# KiCad board LI_ION_charger_5Vout.kicad_pcb (continued)
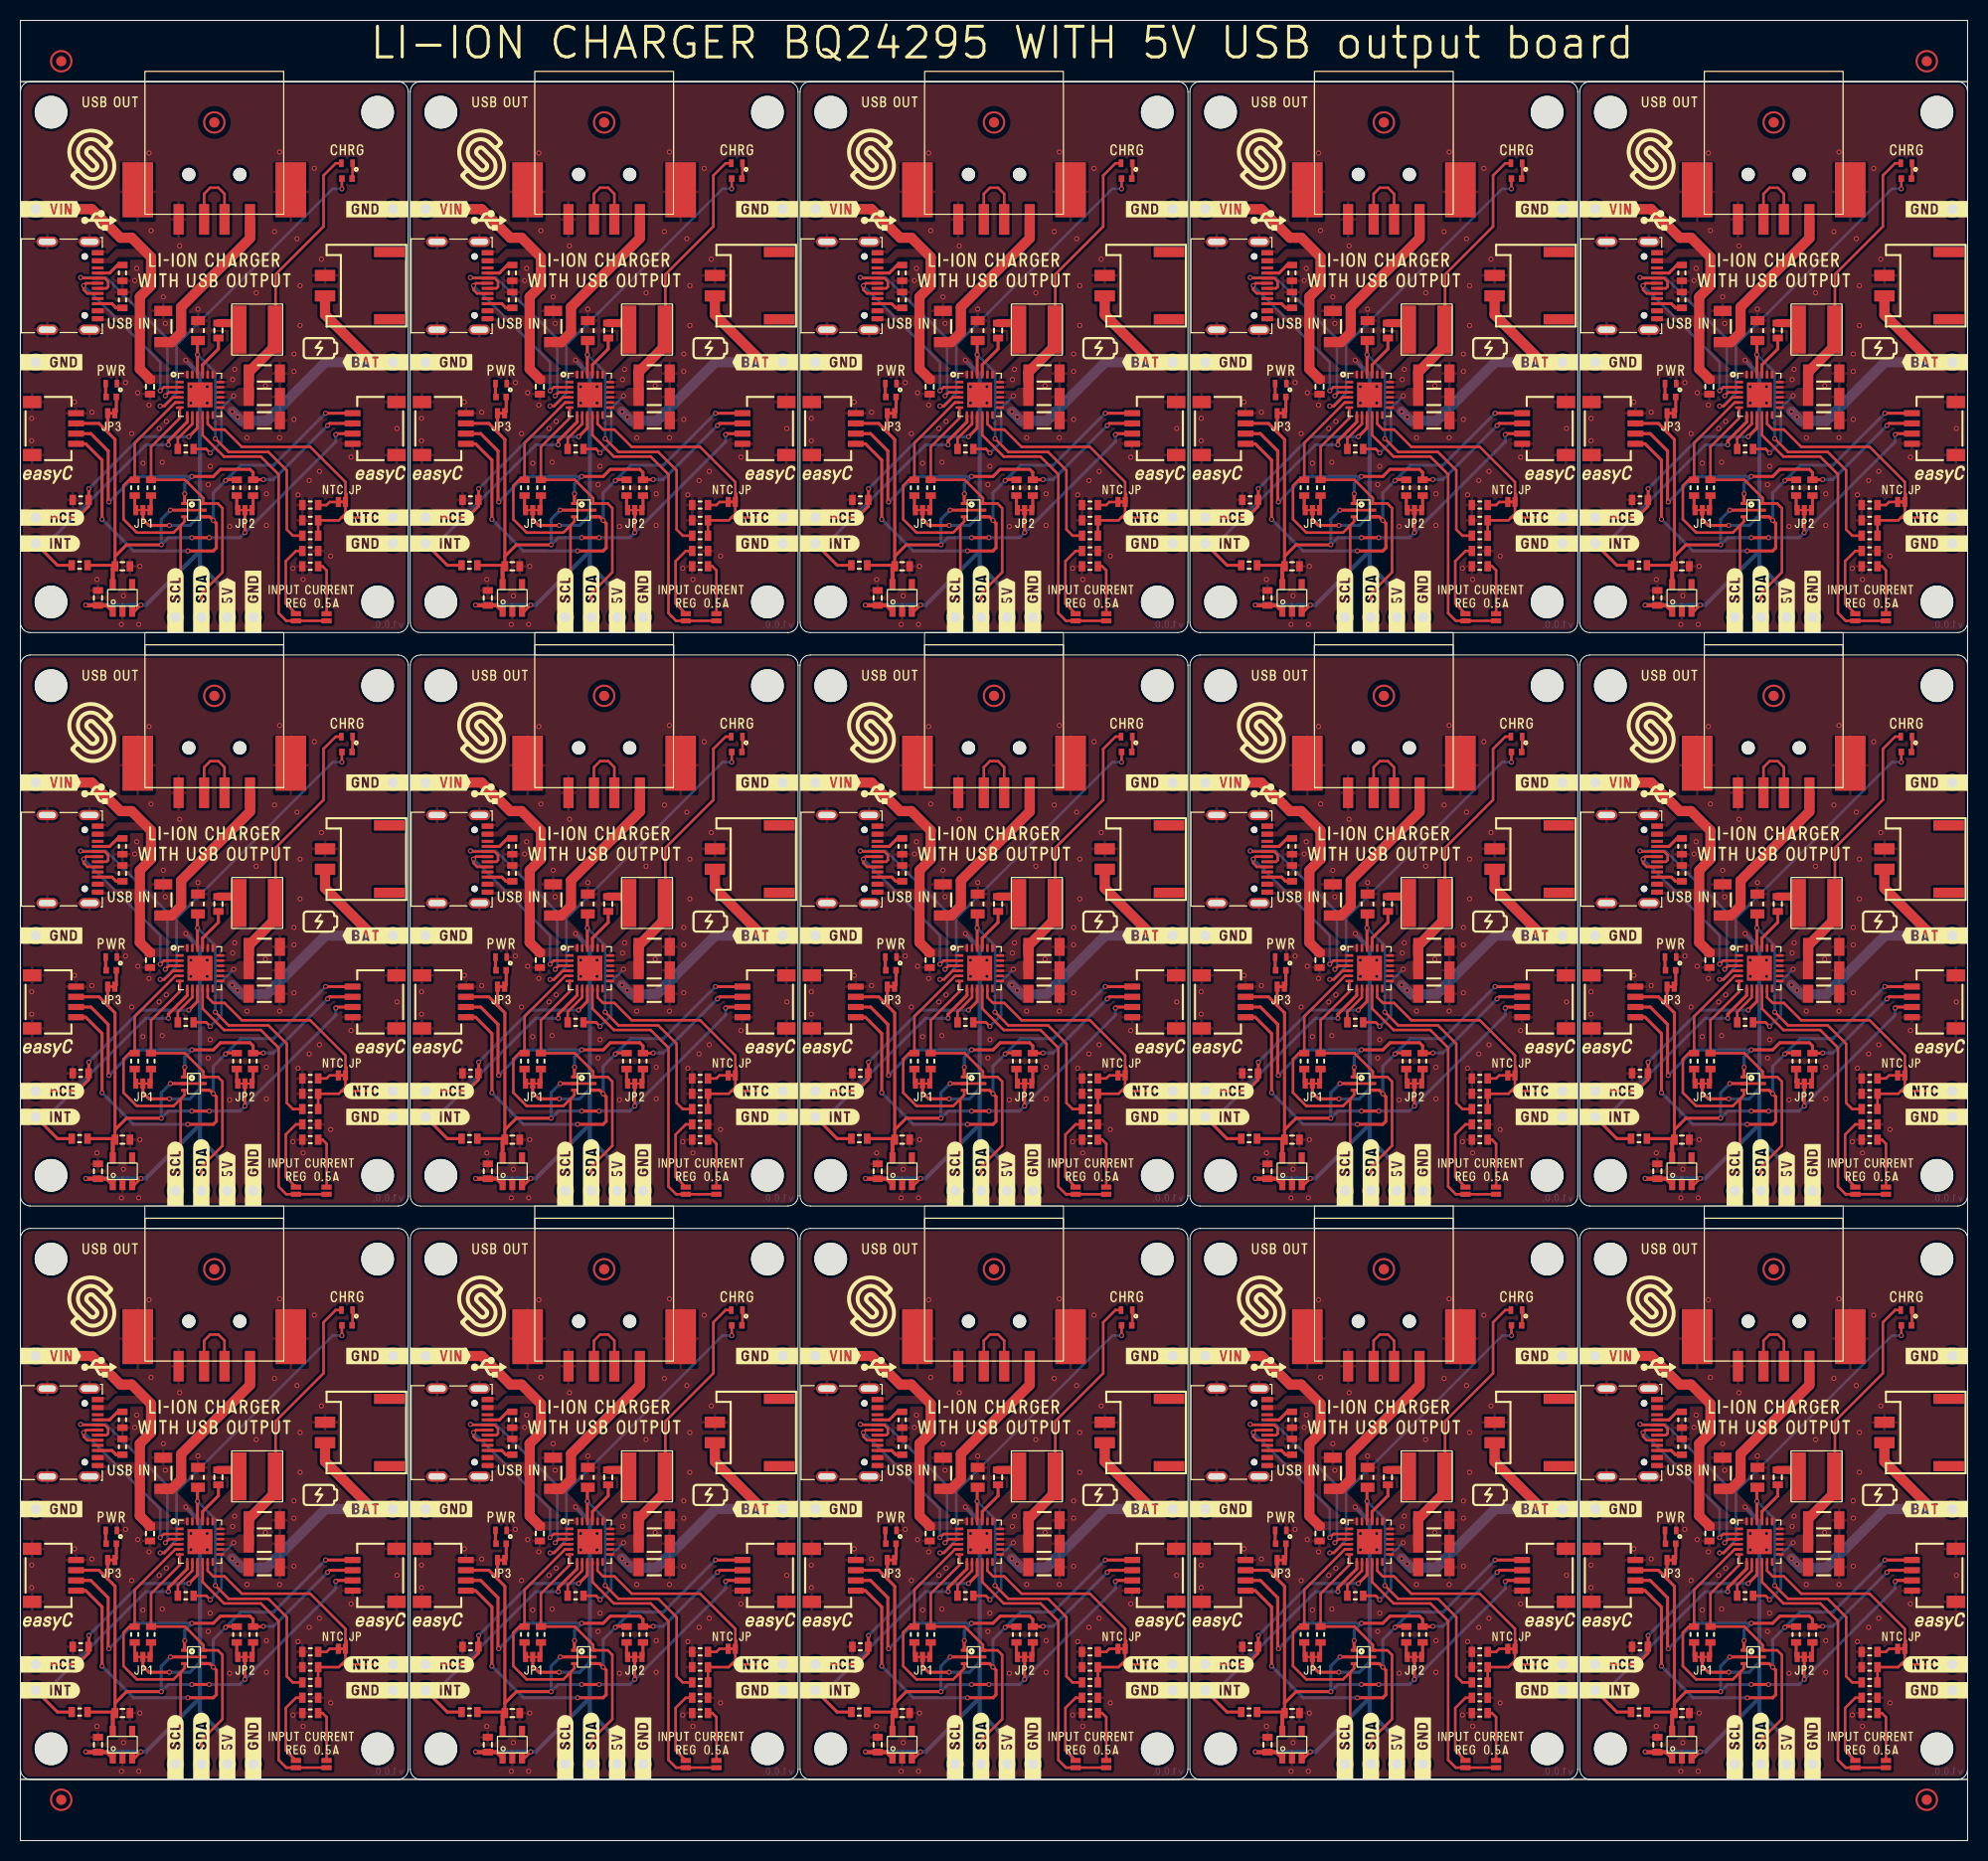
[diagram p0: board, top side]
## Nets (continued)
PMID: C2.2 C2#2.2 C2#3.2 C2#4.2 C2#5.2 C2#6.2 C2#7.2 C2#8.2 C2#9.2 C2#10.2 C2#11.2 C2#12.2 C2#13.2 C2#14.2 C2#15.2 C8.2 C8#2.2 C8#3.2 C8#4.2 C8#5.2 C8#6.2 C8#7.2 C8#8.2 C8#9.2 C8#10.2 C8#11.2 C8#12.2 C8#13.2 C8#14.2 C8#15.2 JP1.2 JP1#2.2 JP1#3.2 JP1#4.2 JP1#5.2 JP1#6.2 JP1#7.2 JP1#8.2 JP1#9.2 JP1#10.2 JP1#11.2 JP1#12.2 JP1#13.2 JP1#14.2 JP1#15.2 K6.2 K6#2.2 K6#3.2 K6#4.2 K6#5.2 K6#6.2 K6#7.2 K6#8.2 K6#9.2 K6#10.2 K6#11.2 K6#12.2 K6#13.2 K6#14.2 K6#15.2 K12.1 K12#2.1 K12#3.1 K12#4.1 K12#5.1 K12#6.1 K12#7.1 K12#8.1 K12#9.1 K12#10.1 K12#11.1 K12#12.1 K12#13.1 K12#14.1 K12#15.1 U2.23 U2#2.23 U2#3.23 U2#4.23 U2#5.23 U2#6.23 U2#7.23 U2#8.23 U2#9.23 U2#10.23 U2#11.23 U2#12.23 U2#13.23 U2#14.23 U2#15.23 U3.1 U3.3 U3#2.1 U3#2.3 U3#3.1 U3#3.3 U3#4.1 U3#4.3 U3#5.1 U3#5.3 U3#6.1 U3#6.3 U3#7.1 U3#7.3 U3#8.1 U3#8.3 U3#9.1 U3#9.3 U3#10.1 U3#10.3 U3#11.1 U3#11.3 U3#12.1 U3#12.3 U3#13.1 U3#13.3 U3#14.1 U3#14.3 U3#15.1 U3#15.3
QON: U2.12 U2#2.12 U2#3.12 U2#4.12 U2#5.12 U2#6.12 U2#7.12 U2#8.12 U2#9.12 U2#10.12 U2#11.12 U2#12.12 U2#13.12 U2#14.12 U2#15.12
REGN: C3.2 C3#2.2 C3#3.2 C3#4.2 C3#5.2 C3#6.2 C3#7.2 C3#8.2 C3#9.2 C3#10.2 C3#11.2 C3#12.2 C3#13.2 C3#14.2 C3#15.2 R1.1 R1#2.1 R1#3.1 R1#4.1 R1#5.1 R1#6.1 R1#7.1 R1#8.1 R1#9.1 R1#10.1 R1#11.1 R1#12.1 R1#13.1 R1#14.1 R1#15.1 U2.22 U2#2.22 U2#3.22 U2#4.22 U2#5.22 U2#6.22 U2#7.22 U2#8.22 U2#9.22 U2#10.22 U2#11.22 U2#12.22 U2#13.22 U2#14.22 U2#15.22
SCL3,3: K5.1 K5#2.1 K5#3.1 K5#4.1 K5#5.1 K5#6.1 K5#7.1 K5#8.1 K5#9.1 K5#10.1 K5#11.1 K5#12.1 K5#13.1 K5#14.1 K5#15.1 K11.1 K11#2.1 K11#3.1 K11#4.1 K11#5.1 K11#6.1 K11#7.1 K11#8.1 K11#9.1 K11#10.1 K11#11.1 K11#12.1 K11#13.1 K11#14.1 K11#15.1 R7.1 R7#2.1 R7#3.1 R7#4.1 R7#5.1 R7#6.1 R7#7.1 R7#8.1 R7#9.1 R7#10.1 R7#11.1 R7#12.1 R7#13.1 R7#14.1 R7#15.1 U1.4 U1#2.4 U1#3.4 U1#4.4 U1#5.4 U1#6.4 U1#7.4 U1#8.4 U1#9.4 U1#10.4 U1#11.4 U1#12.4 U1#13.4 U1#14.4 U1#15.4
SCL5: K6.4 K6#2.4 K6#3.4 K6#4.4 K6#5.4 K6#6.4 K6#7.4 K6#8.4 K6#9.4 K6#10.4 K6#11.4 K6#12.4 K6#13.4 K6#14.4 K6#15.4 R3.2 R3#2.2 R3#3.2 R3#4.2 R3#5.2 R3#6.2 R3#7.2 R3#8.2 R3#9.2 R3#10.2 R3#11.2 R3#12.2 R3#13.2 R3#14.2 R3#15.2 U1.3 U1#2.3 U1#3.3 U1#4.3 U1#5.3 U1#6.3 U1#7.3 U1#8.3 U1#9.3 U1#10.3 U1#11.3 U1#12.3 U1#13.3 U1#14.3 U1#15.3 U2.5 U2#2.5 U2#3.5 U2#4.5 U2#5.5 U2#6.5 U2#7.5 U2#8.5 U2#9.5 U2#10.5 U2#11.5 U2#12.5 U2#13.5 U2#14.5 U2#15.5
SCL_PULL3,3: JP3.1 JP3#2.1 JP3#3.1 JP3#4.1 JP3#5.1 JP3#6.1 JP3#7.1 JP3#8.1 JP3#9.1 JP3#10.1 JP3#11.1 JP3#12.1 JP3#13.1 JP3#14.1 JP3#15.1 R7.2 R7#2.2 R7#3.2 R7#4.2 R7#5.2 R7#6.2 R7#7.2 R7#8.2 R7#9.2 R7#10.2 R7#11.2 R7#12.2 R7#13.2 R7#14.2 R7#15.2
SCL_PULL5: JP1.1 JP1#2.1 JP1#3.1 JP1#4.1 JP1#5.1 JP1#6.1 JP1#7.1 JP1#8.1 JP1#9.1 JP1#10.1 JP1#11.1 JP1#12.1 JP1#13.1 JP1#14.1 JP1#15.1 R3.1 R3#2.1 R3#3.1 R3#4.1 R3#5.1 R3#6.1 R3#7.1 R3#8.1 R3#9.1 R3#10.1 R3#11.1 R3#12.1 R3#13.1 R3#14.1 R3#15.1
SDA3,3: K5.2 K5#2.2 K5#3.2 K5#4.2 K5#5.2 K5#6.2 K5#7.2 K5#8.2 K5#9.2 K5#10.2 K5#11.2 K5#12.2 K5#13.2 K5#14.2 K5#15.2 K11.2 K11#2.2 K11#3.2 K11#4.2 K11#5.2 K11#6.2 K11#7.2 K11#8.2 K11#9.2 K11#10.2 K11#11.2 K11#12.2 K11#13.2 K11#14.2 K11#15.2 R2.2 R2#2.2 R2#3.2 R2#4.2 R2#5.2 R2#6.2 R2#7.2 R2#8.2 R2#9.2 R2#10.2 R2#11.2 R2#12.2 R2#13.2 R2#14.2 R2#15.2 U1.1 U1#2.1 U1#3.1 U1#4.1 U1#5.1 U1#6.1 U1#7.1 U1#8.1 U1#9.1 U1#10.1 U1#11.1 U1#12.1 U1#13.1 U1#14.1 U1#15.1
SDA5: K6.3 K6#2.3 K6#3.3 K6#4.3 K6#5.3 K6#6.3 K6#7.3 K6#8.3 K6#9.3 K6#10.3 K6#11.3 K6#12.3 K6#13.3 K6#14.3 K6#15.3 R6.1 R6#2.1 R6#3.1 R6#4.1 R6#5.1 R6#6.1 R6#7.1 R6#8.1 R6#9.1 R6#10.1 R6#11.1 R6#12.1 R6#13.1 R6#14.1 R6#15.1 U1.6 U1#2.6 U1#3.6 U1#4.6 U1#5.6 U1#6.6 U1#7.6 U1#8.6 U1#9.6 U1#10.6 U1#11.6 U1#12.6 U1#13.6 U1#14.6 U1#15.6 U2.6 U2#2.6 U2#3.6 U2#4.6 U2#5.6 U2#6.6 U2#7.6 U2#8.6 U2#9.6 U2#10.6 U2#11.6 U2#12.6 U2#13.6 U2#14.6 U2#15.6
SDA_PULL3,3: JP3.3 JP3#2.3 JP3#3.3 JP3#4.3 JP3#5.3 JP3#6.3 JP3#7.3 JP3#8.3 JP3#9.3 JP3#10.3 JP3#11.3 JP3#12.3 JP3#13.3 JP3#14.3 JP3#15.3 R2.1 R2#2.1 R2#3.1 R2#4.1 R2#5.1 R2#6.1 R2#7.1 R2#8.1 R2#9.1 R2#10.1 R2#11.1 R2#12.1 R2#13.1 R2#14.1 R2#15.1
SDA_PULL5: JP1.3 JP1#2.3 JP1#3.3 JP1#4.3 JP1#5.3 JP1#6.3 JP1#7.3 JP1#8.3 JP1#9.3 JP1#10.3 JP1#11.3 JP1#12.3 JP1#13.3 JP1#14.3 JP1#15.3 R6.2 R6#2.2 R6#3.2 R6#4.2 R6#5.2 R6#6.2 R6#7.2 R6#8.2 R6#9.2 R6#10.2 R6#11.2 R6#12.2 R6#13.2 R6#14.2 R6#15.2
STAT: R11.2 R11#2.2 R11#3.2 R11#4.2 R11#5.2 R11#6.2 R11#7.2 R11#8.2 R11#9.2 R11#10.2 R11#11.2 R11#12.2 R11#13.2 R11#14.2 R11#15.2 U2.4 U2#2.4 U2#3.4 U2#4.4 U2#5.4 U2#6.4 U2#7.4 U2#8.4 U2#9.4 U2#10.4 U2#11.4 U2#12.4 U2#13.4 U2#14.4 U2#15.4
SYS: C6.2 C6#2.2 C6#3.2 C6#4.2 C6#5.2 C6#6.2 C6#7.2 C6#8.2 C6#9.2 C6#10.2 C6#11.2 C6#12.2 C6#13.2 C6#14.2 C6#15.2 C7.2 C7#2.2 C7#3.2 C7#4.2 C7#5.2 C7#6.2 C7#7.2 C7#8.2 C7#9.2 C7#10.2 C7#11.2 C7#12.2 C7#13.2 C7#14.2 C7#15.2 D1.1 D1#2.1 D1#3.1 D1#4.1 D1#5.1 D1#6.1 D1#7.1 D1#8.1 D1#9.1 D1#10.1 D1#11.1 D1#12.1 D1#13.1 D1#14.1 D1#15.1 L1.2 L1#2.2 L1#3.2 L1#4.2 L1#5.2 L1#6.2 L1#7.2 L1#8.2 L1#9.2 L1#10.2 L1#11.2 L1#12.2 L1#13.2 L1#14.2 L1#15.2 R10.1 R10#2.1 R10#3.1 R10#4.1 R10#5.1 R10#6.1 R10#7.1 R10#8.1 R10#9.1 R10#10.1 R10#11.1 R10#12.1 R10#13.1 R10#14.1 R10#15.1 U2.15 U2.16 U2#2.15 U2#2.16 U2#3.15 U2#3.16 U2#4.15 U2#4.16 U2#5.15 U2#5.16 U2#6.15 U2#6.16 U2#7.15 U2#7.16 U2#8.15 U2#8.16 U2#9.15 U2#9.16 U2#10.15 U2#10.16 U2#11.15 U2#11.16 U2#12.15 U2#12.16 U2#13.15 U2#13.16 U2#14.15 U2#14.16 U2#15.15 U2#15.16
TS: JP2.1 JP2#2.1 JP2#3.1 JP2#4.1 JP2#5.1 JP2#6.1 JP2#7.1 JP2#8.1 JP2#9.1 JP2#10.1 JP2#11.1 JP2#12.1 JP2#13.1 JP2#14.1 JP2#15.1 K1.1 K1#2.1 K1#3.1 K1#4.1 K1#5.1 K1#6.1 K1#7.1 K1#8.1 K1#9.1 K1#10.1 K1#11.1 K1#12.1 K1#13.1 K1#14.1 K1#15.1 R1.2 R1#2.2 R1#3.2 R1#4.2 R1#5.2 R1#6.2 R1#7.2 R1#8.2 R1#9.2 R1#10.2 R1#11.2 R1#12.2 R1#13.2 R1#14.2 R1#15.2 R4.1 R4#2.1 R4#3.1 R4#4.1 R4#5.1 R4#6.1 R4#7.1 R4#8.1 R4#9.1 R4#10.1 R4#11.1 R4#12.1 R4#13.1 R4#14.1 R4#15.1 U2.11 U2#2.11 U2#3.11 U2#4.11 U2#5.11 U2#6.11 U2#7.11 U2#8.11 U2#9.11 U2#10.11 U2#11.11 U2#12.11 U2#13.11 U2#14.11 U2#15.11
Net-(C4-Pad2): C4.2 C4#2.2 C4#3.2 C4#4.2 C4#5.2 C4#6.2 C4#7.2 C4#8.2 C4#9.2 C4#10.2 C4#11.2 C4#12.2 C4#13.2 C4#14.2 C4#15.2 L1.1 L1#2.1 L1#3.1 L1#4.1 L1#5.1 L1#6.1 L1#7.1 L1#8.1 L1#9.1 L1#10.1 L1#11.1 L1#12.1 L1#13.1 L1#14.1 L1#15.1 U2.19 U2.20 U2#2.19 U2#2.20 U2#3.19 U2#3.20 U2#4.19 U2#4.20 U2#5.19 U2#5.20 U2#6.19 U2#6.20 U2#7.19 U2#7.20 U2#8.19 U2#8.20 U2#9.19 U2#9.20 U2#10.19 U2#10.20 U2#11.19 U2#11.20 U2#12.19 U2#12.20 U2#13.19 U2#13.20 U2#14.19 U2#14.20 U2#15.19 U2#15.20
Net-(D1-Pad2): D1.2 D1#2.2 D1#3.2 D1#4.2 D1#5.2 D1#6.2 D1#7.2 D1#8.2 D1#9.2 D1#10.2 D1#11.2 D1#12.2 D1#13.2 D1#14.2 D1#15.2 R11.1 R11#2.1 R11#3.1 R11#4.1 R11#5.1 R11#6.1 R11#7.1 R11#8.1 R11#9.1 R11#10.1 R11#11.1 R11#12.1 R11#13.1 R11#14.1 R11#15.1
Net-(D2-Pad1): D2.1 D2#2.1 D2#3.1 D2#4.1 D2#5.1 D2#6.1 D2#7.1 D2#8.1 D2#9.1 D2#10.1 D2#11.1 D2#12.1 D2#13.1 D2#14.1 D2#15.1 R16.2 R16#2.2 R16#3.2 R16#4.2 R16#5.2 R16#6.2 R16#7.2 R16#8.2 R16#9.2 R16#10.2 R16#11.2 R16#12.2 R16#13.2 R16#14.2 R16#15.2
Net-(JP2-Pad2): JP2.2 JP2#2.2 JP2#3.2 JP2#4.2 JP2#5.2 JP2#6.2 JP2#7.2 JP2#8.2 JP2#9.2 JP2#10.2 JP2#11.2 JP2#12.2 JP2#13.2 JP2#14.2 JP2#15.2 R5.1 R5#2.1 R5#3.1 R5#4.1 R5#5.1 R5#6.1 R5#7.1 R5#8.1 R5#9.1 R5#10.1 R5#11.1 R5#12.1 R5#13.1 R5#14.1 R5#15.1
Net-(JP4-Pad1): JP4.1 JP4#2.1 JP4#3.1 JP4#4.1 JP4#5.1 JP4#6.1 JP4#7.1 JP4#8.1 JP4#9.1 JP4#10.1 JP4#11.1 JP4#12.1 JP4#13.1 JP4#14.1 JP4#15.1 R13.1 R13#2.1 R13#3.1 R13#4.1 R13#5.1 R13#6.1 R13#7.1 R13#8.1 R13#9.1 R13#10.1 R13#11.1 R13#12.1 R13#13.1 R13#14.1 R13#15.1
Net-(JP5-Pad1): JP5.1 JP5#2.1 JP5#3.1 JP5#4.1 JP5#5.1 JP5#6.1 JP5#7.1 JP5#8.1 JP5#9.1 JP5#10.1 JP5#11.1 JP5#12.1 JP5#13.1 JP5#14.1 JP5#15.1 R15.1 R15#2.1 R15#3.1 R15#4.1 R15#5.1 R15#6.1 R15#7.1 R15#8.1 R15#9.1 R15#10.1 R15#11.1 R15#12.1 R15#13.1 R15#14.1 R15#15.1
Net-(JP6-Pad2): JP6.2 JP6#2.2 JP6#3.2 JP6#4.2 JP6#5.2 JP6#6.2 JP6#7.2 JP6#8.2 JP6#9.2 JP6#10.2 JP6#11.2 JP6#12.2 JP6#13.2 JP6#14.2 JP6#15.2 R16.1 R16#2.1 R16#3.1 R16#4.1 R16#5.1 R16#6.1 R16#7.1 R16#8.1 R16#9.1 R16#10.1 R16#11.1 R16#12.1 R16#13.1 R16#14.1 R16#15.1
Net-(K4-PadA5): K4.A5 K4#2.A5 K4#3.A5 K4#4.A5 K4#5.A5 K4#6.A5 K4#7.A5 K4#8.A5 K4#9.A5 K4#10.A5 K4#11.A5 K4#12.A5 K4#13.A5 K4#14.A5 K4#15.A5 R14.1 R14#2.1 R14#3.1 R14#4.1 R14#5.1 R14#6.1 R14#7.1 R14#8.1 R14#9.1 R14#10.1 R14#11.1 R14#12.1 R14#13.1 R14#14.1 R14#15.1
Net-(K4-PadB5): K4.B5 K4#2.B5 K4#3.B5 K4#4.B5 K4#5.B5 K4#6.B5 K4#7.B5 K4#8.B5 K4#9.B5 K4#10.B5 K4#11.B5 K4#12.B5 K4#13.B5 K4#14.B5 K4#15.B5 R12.1 R12#2.1 R12#3.1 R12#4.1 R12#5.1 R12#6.1 R12#7.1 R12#8.1 R12#9.1 R12#10.1 R12#11.1 R12#12.1 R12#13.1 R12#14.1 R12#15.1
Net-(K12-Pad2): K12.2 K12.3 K12#2.2 K12#2.3 K12#3.2 K12#3.3 K12#4.2 K12#4.3 K12#5.2 K12#5.3 K12#6.2 K12#6.3 K12#7.2 K12#7.3 K12#8.2 K12#8.3 K12#9.2 K12#9.3 K12#10.2 K12#10.3 K12#11.2 K12#11.3 K12#12.2 K12#12.3 K12#13.2 K12#13.3 K12#14.2 K12#14.3 K12#15.2 K12#15.3

Pads without a net: FD1 1; FD1#2 1; FD1#3 1; FD1#4 1; FD1#5 1; FD1#6 1; FD1#7 1; FD1#8 1; FD1#9 1; FD1#10 1; FD1#11 1; FD1#12 1; FD1#13 1; FD1#14 1; FD1#15 1; FD1#16 1; FD1#17 1; FD1#18 1; FD1#19 1; K4 A8 B8; K4#2 A8 B8; K4#3 A8 B8; K4#4 A8 B8; K4#5 A8 B8; K4#6 A8 B8; K4#7 A8 B8; K4#8 A8 B8; K4#9 A8 B8; K4#10 A8 B8; K4#11 A8 B8; K4#12 A8 B8; K4#13 A8 B8; K4#14 A8 B8; K4#15 A8 B8; U3 4; U3#2 4; U3#3 4; U3#4 4; U3#5 4; U3#6 4; U3#7 4; U3#8 4; U3#9 4; U3#10 4; U3#11 4; U3#12 4; U3#13 4; U3#14 4; U3#15 4

## Via types
v1: diameter 0.5, hole 0.3, Top to Bottom, 1395 vias

## Routing (per net, layer and track width the routed paths; a pad name or vN(x,y) marks a point on that pad's centre or on a via; arc(x,y) is an arc through that point)
3V3: length 923.2
  Top w0.254: U1#2.5 U1#2.2 ; U1#8.5 U1#8.2 ; U1#14.5 U1#14.2 ; U1#6.5 U1#6.2 ; U1#9.5 U1#9.2 ; U1#13.5 U1#13.2 ; U1#5.5 U1#5.2 ; U1#11.5 U1#11.2 ; U1#15.5 U1#15.2 ; U1#10.5 U1#10.2 ; U1.5 U1.2 ; U1#12.5 U1#12.2 ; U1#7.5 U1#7.2 ; U1#4.5 U1#4.2 ; U1#3.5 U1#3.2
  Top w0.3: v1(183.7,137.8) 183.8,137.9 185.65,137.9 ; v1(166.6,14.6) 163.2,14.6 162.07,13.47 ; v1(145.5,25.4) 145.6,25.5 147.45,25.5 ; 85.67,125.87 85.67,137.33 84.95,138.05 ; 85.67,125.87 C9#6.2 85.57,125 R9#6.1 ; 85.67,125.87 86.8,127 v1(90.2,127) ; 9.27,69.67 10.4,70.8 v1(13.8,70.8) ; 9.27,69.67 C9#5.2 9.17,68.8 R9#3.1 ; 9.27,69.67 9.27,81.13 8.55,81.85 ; 85.67,13.47 86.8,14.6 v1(90.2,14.6) ; 85.67,13.47 85.67,24.93 84.95,25.65 ; 85.67,13.47 C9#9.2 85.57,12.6 R9#14.1 ; v1(94.9,127.7) v1(93.2,127.7) ; 47.47,13.47 C9#10.2 47.37,12.6 R9#10.1 ; 47.47,13.47 47.47,24.93 46.75,25.65 ; 47.47,13.47 48.6,14.6 v1(52,14.6) ; v1(22,72) JP3#14.2 ; v1(174.8,128.2) JP3#3.2 ; 46.75,81.85 45.9,82.7 K11.3 ; 46.75,81.85 JP6#9.1 ; 46.75,81.85 47.47,81.13 47.47,69.67 ; v1(145.5,81.6) 145.6,81.7 147.45,81.7 ; v1(30.9,25.4) 31,25.5 32.85,25.5 ; 161.35,138.05 160.5,138.9 K11#15.3 ; 161.35,138.05 JP6#5.1 ; 161.35,138.05 162.07,137.33 162.07,125.87 ; 123.15,138.05 123.87,137.33 123.87,125.87 ; 123.15,138.05 JP6#7.1 ; 123.15,138.05 122.3,138.9 K11#2.3 ; 161.35,25.65 160.5,26.5 K11#13.3 ; 161.35,25.65 JP6#13.1 ; 161.35,25.65 162.07,24.93 162.07,13.47 ; v1(52.9,130.4) U1#10.2 ; v1(98.4,128.2) JP3#5.2 ; 185.65,81.7 183.8,81.7 v1(183.7,81.6) ; v1(174.8,15.8) JP3#13.2 ; R9#7.1 9.17,12.6 C9#14.2 9.27,13.47 ; v1(129.3,130.4) U1#5.2 ; v1(129.3,74.2) U1#11.2 ; 109.25,25.5 107.4,25.5 v1(107.3,25.4) ; K11#14.3 122.3,26.5 123.15,25.65 ; v1(133.1,127.7) v1(131.4,127.7) ; 9.27,13.47 9.27,24.93 8.55,25.65 ; 9.27,13.47 10.4,14.6 v1(13.8,14.6) ; 84.95,25.65 JP6.1 ; 84.95,25.65 84.1,26.5 K11#3.3 ; 47.47,125.87 47.47,137.33 46.75,138.05 ; 47.47,125.87 48.6,127 v1(52,127) ; 47.47,125.87 C9.2 47.37,125 R9#11.1 ; R9#12.1 123.77,125 C9#4.2 123.87,125.87 ; 9.27,125.87 9.27,137.33 8.55,138.05 ; 9.27,125.87 C9#15.2 9.17,125 R9#13.1 ; 9.27,125.87 10.4,127 v1(13.8,127) ; 84.95,81.85 JP6#6.1 ; 84.95,81.85 84.1,82.7 K11#4.3 ; 84.95,81.85 85.67,81.13 85.67,69.67 ; K11#5.3 7.7,138.9 8.55,138.05 ; 123.15,81.85 122.3,82.7 K11#9.3 ; 123.15,81.85 123.87,81.13 123.87,69.67 ; 123.15,81.85 JP6#15.1 ; 8.55,138.05 JP6#2.1 ; R9.1 85.57,68.8 C9#2.2 85.67,69.67 ; v1(94.9,71.5) v1(93.2,71.5) ; v1(174.8,72) JP3#7.2 ; v1(94.9,15.3) v1(93.2,15.3) ; 71.05,137.9 69.2,137.9 v1(69.1,137.8) ; v1(60.2,128.2) JP3#12.2 ; v1(167.5,18) U1#13.2 ; v1(30.9,81.6) 31,81.7 32.85,81.7 ; v1(167.5,130.4) U1#9.2 ; 8.55,25.65 7.7,26.5 K11#6.3 ; 8.55,25.65 JP6#3.1 ; v1(166.6,70.8) 163.2,70.8 162.07,69.67 ; 162.07,69.67 162.07,81.13 161.35,81.85 ; 162.07,69.67 C9#13.2 161.97,68.8 R9#5.1 ; v1(14.7,130.4) U1#8.2 ; v1(167.5,74.2) U1#3.2 ; v1(183.7,25.4) 183.8,25.5 185.65,25.5 ; 8.55,81.85 JP6#10.1 ; 8.55,81.85 7.7,82.7 K11#7.3 ; v1(136.6,128.2) JP3#9.2 ; v1(107.3,81.6) 107.4,81.7 109.25,81.7 ; 123.87,125.87 125,127 v1(128.4,127) ; 47.47,69.67 48.6,70.8 v1(52,70.8) ; 47.47,69.67 C9#7.2 47.37,68.8 R9#4.1 ; 123.87,69.67 125,70.8 v1(128.4,70.8) ; 123.87,69.67 C9#12.2 123.77,68.8 R9#9.1 ; 32.85,137.9 31,137.9 v1(30.9,137.8) ; v1(166.6,127) 163.2,127 162.07,125.87 ; v1(56.7,127.7) v1(55,127.7) ; v1(98.4,72) JP3.2 ; v1(133.1,71.5) v1(131.4,71.5) ; K11#8.3 160.5,82.7 161.35,81.85 ; 162.07,13.47 C9#11.2 161.97,12.6 R9#15.1 ; v1(129.3,18) U1#4.2 ; v1(14.7,18) U1#2.2 ; v1(56.7,15.3) v1(55,15.3) ; v1(56.7,71.5) v1(55,71.5) ; 46.75,138.05 45.9,138.9 K11#11.3 ; 46.75,138.05 JP6#12.1 ; 161.35,81.85 JP6#14.1 ; v1(98.4,15.8) JP3#10.2 ; v1(60.2,72) JP3#6.2 ; v1(91.1,130.4) U1#6.2 ; v1(22,15.8) JP3#4.2 ; 109.25,137.9 107.4,137.9 v1(107.3,137.8) ; 85.67,69.67 86.8,70.8 v1(90.2,70.8) ; v1(18.5,15.3) v1(16.8,15.3) ; v1(171.3,127.7) v1(169.6,127.7) ; v1(69.1,25.4) 69.2,25.5 71.05,25.5 ; 123.15,25.65 JP6#4.1 ; 123.15,25.65 123.87,24.93 123.87,13.47 ; v1(171.3,15.3) v1(169.6,15.3) ; 123.87,13.47 125,14.6 v1(128.4,14.6) ; 123.87,13.47 C9#3.2 123.77,12.6 R9#2.1 ; 162.07,125.87 C9#8.2 161.97,125 R9#8.1 ; v1(91.1,74.2) U1.2 ; K11#12.3 45.9,26.5 46.75,25.65 ; 46.75,25.65 JP6#8.1 ; v1(133.1,15.3) v1(131.4,15.3) ; v1(52.9,18) U1#15.2 ; v1(145.5,137.8) 145.6,137.9 147.45,137.9 ; v1(60.2,15.8) JP3#8.2 ; v1(52.9,74.2) U1#12.2 ; v1(136.6,72) JP3#11.2 ; v1(14.7,74.2) U1#7.2 ; 84.95,138.05 84.1,138.9 K11#10.3 ; 84.95,138.05 JP6#11.1 ; v1(171.3,71.5) v1(169.6,71.5) ; v1(18.5,127.7) v1(16.8,127.7) ; v1(69.1,81.6) 69.2,81.7 71.05,81.7 ; v1(18.5,71.5) v1(16.8,71.5) ; v1(91.1,18) U1#14.2 ; v1(22,128.2) JP3#2.2 ; v1(136.6,15.8) JP3#15.2
  Top w0.4: C9#2.2 85.45,68.48 U3#13.5 ; C9#11.2 161.85,12.28 U3#5.5 ; U3#3.5 123.65,68.48 C9#12.2 ; U3#6.5 161.85,68.48 C9#13.2 ; C9#9.2 85.45,12.28 U3#9.5 ; U3#2.5 47.25,124.68 C9.2 ; U3#8.5 85.45,124.68 C9#6.2 ; C9#5.2 9.05,68.48 U3#14.5 ; C9#3.2 123.65,12.28 U3#12.5 ; U3#4.5 123.65,124.68 C9#4.2 ; C9#7.2 47.25,68.48 U3#10.5 ; U3#11.5 161.85,124.68 C9#8.2 ; U3#7.5 9.05,12.28 C9#14.2 ; U3.5 9.05,124.68 C9#15.2 ; C9#10.2 47.25,12.28 U3#15.5
  Bottom w0.3: v1(69.1,81.6) 69.1,80.9 v1(60.2,72) 59.7,71.5 v1(56.7,71.5) ; v1(91.1,130.4) 90.2,129.5 v1(90.2,127) 90.9,127.7 v1(93.2,127.7) ; v1(94.9,71.5) 97.9,71.5 v1(98.4,72) 107.3,80.9 v1(107.3,81.6) ; v1(107.3,25.4) 107.3,24.7 v1(98.4,15.8) 97.9,15.3 v1(94.9,15.3) ; v1(30.9,81.6) 30.9,80.9 v1(22,72) 21.5,71.5 v1(18.5,71.5) ; v1(52.9,130.4) 52,129.5 v1(52,127) 52.7,127.7 v1(55,127.7) ; v1(16.8,71.5) 14.5,71.5 v1(13.8,70.8) 13.8,73.3 v1(14.7,74.2) ; v1(16.8,15.3) 14.5,15.3 v1(13.8,14.6) 13.8,17.1 v1(14.7,18) ; v1(171.3,15.3) 174.3,15.3 v1(174.8,15.8) 183.7,24.7 v1(183.7,25.4) ; v1(171.3,127.7) 174.3,127.7 v1(174.8,128.2) 183.7,137.1 v1(183.7,137.8) ; v1(167.5,74.2) 166.6,73.3 v1(166.6,70.8) 167.3,71.5 v1(169.6,71.5) ; v1(93.2,15.3) 90.9,15.3 v1(90.2,14.6) 90.2,17.1 v1(91.1,18) ; v1(133.1,71.5) 136.1,71.5 v1(136.6,72) 145.5,80.9 v1(145.5,81.6) ; v1(133.1,127.7) 136.1,127.7 v1(136.6,128.2) 145.5,137.1 v1(145.5,137.8) ; v1(183.7,81.6) 183.7,80.9 v1(174.8,72) 174.3,71.5 v1(171.3,71.5) ; v1(55,15.3) 52.7,15.3 v1(52,14.6) 52,17.1 v1(52.9,18) ; v1(30.9,25.4) 30.9,24.7 v1(22,15.8) 21.5,15.3 v1(18.5,15.3) ; v1(30.9,137.8) 30.9,137.1 v1(22,128.2) 21.5,127.7 v1(18.5,127.7) ; v1(129.3,130.4) 128.4,129.5 v1(128.4,127) 129.1,127.7 v1(131.4,127.7) ; v1(91.1,74.2) 90.2,73.3 v1(90.2,70.8) 90.9,71.5 v1(93.2,71.5) ; v1(133.1,15.3) 136.1,15.3 v1(136.6,15.8) 145.5,24.7 v1(145.5,25.4) ; v1(14.7,130.4) 13.8,129.5 v1(13.8,127) 14.5,127.7 v1(16.8,127.7) ; v1(131.4,15.3) 129.1,15.3 v1(128.4,14.6) 128.4,17.1 v1(129.3,18) ; v1(69.1,137.8) 69.1,137.1 v1(60.2,128.2) 59.7,127.7 v1(56.7,127.7) ; v1(167.5,18) 166.6,17.1 v1(166.6,14.6) 167.3,15.3 v1(169.6,15.3) ; v1(69.1,25.4) 69.1,24.7 v1(60.2,15.8) 59.7,15.3 v1(56.7,15.3) ; v1(169.6,127.7) 167.3,127.7 v1(166.6,127) 166.6,129.5 v1(167.5,130.4) ; v1(94.9,127.7) 97.9,127.7 v1(98.4,128.2) 107.3,137.1 v1(107.3,137.8) ; v1(131.4,71.5) 129.1,71.5 v1(128.4,70.8) 128.4,73.3 v1(129.3,74.2) ; v1(55,71.5) 52.7,71.5 v1(52,70.8) 52,73.3 v1(52.9,74.2)
GND:
  vias: v1(1.1,139.4) v1(1.1,137.2) v1(1.1,83.2) v1(1.1,81) v1(1.1,27) v1(1.1,24.8) v1(5.3,141) v1(5.3,84.8) v1(5.3,28.6) v1(7,140) v1(7,83.8) v1(7,27.6) v1(7.5,123.6) v1(7.5,67.4) v1(7.5,11.2) v1(9.9,119.2) v1(9.9,63) v1(9.9,6.8) v1(10.1,122) v1(10.1,65.8) v1(10.1,9.6) v1(10.3,142.9) v1(10.3,86.7) v1(10.3,30.5) v1(10.9,137.9) v1(10.9,81.7) v1(10.9,25.5) v1(11.2,152.9) v1(11.2,96.7) v1(11.2,40.5) v1(11.4,154.1) v1(11.4,97.9) v1(11.4,41.7) v1(11.5,141.9) v1(11.5,85.7) v1(11.5,29.5) v1(11.6,119.2) v1(11.6,63) v1(11.6,6.8) v1(11.7,124.9) v1(11.7,68.7) v1(11.7,12.5) v1(12,135) v1(12,78.8) v1(12,22.6) v1(12.6,165.4) v1(12.6,140.7) v1(12.6,109.2) v1(12.6,84.5) v1(12.6,53) v1(12.6,28.3) v1(12.8,157.8) v1(12.8,101.6) v1(12.8,45.4) v1(13.6,138.4) v1(13.6,82.2) v1(13.6,26) v1(13.9,135.1) v1(13.9,78.9) v1(13.9,22.7) v1(14,151.3) v1(14,95.1) v1(14,38.9) v1(14.2,148.7) v1(14.2,92.5) v1(14.2,36.3) v1(14.3,139.1) v1(14.3,82.9) v1(14.3,26.7) v1(15.6,156.3) v1(15.6,100.1) v1(15.6,43.9) v1(16.7,142.5) v1(16.7,140.9) v1(16.7,86.3) v1(16.7,84.7) v1(16.7,30.1) v1(16.7,28.5) v1(17.4,150.1) v1(17.4,93.9) v1(17.4,37.7) v1(18.3,142.5) v1(18.3,140.9) v1(18.3,86.3) v1(18.3,84.7) v1(18.3,30.1) v1(18.3,28.5) v1(18.4,132.9) v1(18.4,76.7) v1(18.4,20.5) v1(18.6,134.7) v1(18.6,78.5) v1(18.6,22.3) v1(20.5,128.8) v1(20.5,72.6) v1(20.5,16.4) v1(20.8,143.2) v1(20.8,87) v1(20.8,30.8) v1(21,144.2) v1(21,88) v1(21,31.8) v1(22.2,137.5) v1(22.2,81.3) v1(22.2,25.1) v1(23.1,151.7) v1(23.1,95.5) v1(23.1,39.3) v1(24,142.6) v1(24,86.4) v1(24,30.2) v1(24.1,132) v1(24.1,128.9) v1(24.1,75.8) v1(24.1,72.7) v1(24.1,19.6) v1(24.1,16.5) v1(24.9,157.7) v1(24.9,101.5) v1(24.9,45.3) v1(25.4,165.5) v1(25.4,137.5) v1(25.4,109.3) v1(25.4,81.3) v1(25.4,53.1) v1(25.4,25.1) v1(26.7,124.7) v1(26.7,68.5) v1(26.7,12.3) v1(26.8,145.7) v1(26.8,144) v1(26.8,139.3) v1(26.8,89.5) v1(26.8,87.8) v1(26.8,83.1) v1(26.8,33.3) v1(26.8,31.6) v1(26.8,26.9) v1(27.1,157) v1(27.1,100.8) v1(27.1,44.6) v1(27.2,131.9) v1(27.2,75.7) v1(27.2,19.5) v1(27.4,152.4) v1(27.4,148.5) v1(27.4,96.2) v1(27.4,92.3) v1(27.4,40) v1(27.4,36.1) v1(27.7,123.6) v1(27.7,67.4) v1(27.7,11.2) v1(28.3,133.3) v1(28.3,77.1) v1(28.3,20.9) v1(28.8,163.9) v1(28.8,107.7) v1(28.8,51.5) v1(29.3,134.2) v1(29.3,78) v1(29.3,21.8) v1(29.5,155) v1(29.5,98.8) v1(29.5,42.6) v1(30.4,125.9) v1(30.4,69.7) v1(30.4,13.5) v1(32.4,135.6) v1(32.4,79.4) v1(32.4,23.2) v1(36.9,138.4) v1(36.9,82.2) v1(36.9,26) v1(39.3,139.4) v1(39.3,137.2) v1(39.3,83.2) v1(39.3,81) v1(39.3,27) v1(39.3,24.8) v1(43.5,141) v1(43.5,84.8) v1(43.5,28.6) v1(45.2,140) v1(45.2,83.8) v1(45.2,27.6) v1(45.7,123.6) v1(45.7,67.4) v1(45.7,11.2) v1(48.1,119.2) v1(48.1,63) v1(48.1,6.8) v1(48.3,122) v1(48.3,65.8) v1(48.3,9.6) v1(48.5,142.9) v1(48.5,86.7) v1(48.5,30.5) v1(49.1,137.9) v1(49.1,81.7) v1(49.1,25.5) v1(49.4,152.9) v1(49.4,96.7) v1(49.4,40.5) v1(49.6,154.1) v1(49.6,97.9) v1(49.6,41.7) v1(49.7,141.9) v1(49.7,85.7) v1(49.7,29.5) v1(49.8,119.2) v1(49.8,63) v1(49.8,6.8) v1(49.9,124.9) v1(49.9,68.7) v1(49.9,12.5) v1(50.2,135) v1(50.2,78.8) v1(50.2,22.6) v1(50.8,165.4) v1(50.8,140.7) v1(50.8,109.2) v1(50.8,84.5) v1(50.8,53) v1(50.8,28.3) v1(51,157.8) v1(51,101.6) v1(51,45.4) v1(51.8,138.4) v1(51.8,82.2) v1(51.8,26) v1(52.1,135.1) v1(52.1,78.9) v1(52.1,22.7) v1(52.2,151.3) v1(52.2,95.1) v1(52.2,38.9) v1(52.4,148.7) v1(52.4,92.5) v1(52.4,36.3) v1(52.5,139.1) v1(52.5,82.9) v1(52.5,26.7) v1(53.8,156.3) v1(53.8,100.1) v1(53.8,43.9) v1(54.9,142.5) v1(54.9,140.9) v1(54.9,86.3) v1(54.9,84.7) v1(54.9,30.1) v1(54.9,28.5) v1(55.6,150.1) v1(55.6,93.9) v1(55.6,37.7) v1(56.5,142.5) v1(56.5,140.9) v1(56.5,86.3) v1(56.5,84.7) v1(56.5,30.1) v1(56.5,28.5) v1(56.6,132.9) v1(56.6,76.7) v1(56.6,20.5) v1(56.8,134.7) v1(56.8,78.5) v1(56.8,22.3) v1(58.7,128.8) v1(58.7,72.6) v1(58.7,16.4) v1(59,143.2) v1(59,87) v1(59,30.8) v1(59.2,144.2) v1(59.2,88) v1(59.2,31.8) v1(60.4,137.5) v1(60.4,81.3) v1(60.4,25.1) v1(61.3,151.7) v1(61.3,95.5) v1(61.3,39.3) v1(62.2,142.6) v1(62.2,86.4) v1(62.2,30.2) v1(62.3,132) v1(62.3,128.9) v1(62.3,75.8) v1(62.3,72.7) v1(62.3,19.6) v1(62.3,16.5) v1(63.1,157.7) v1(63.1,101.5) v1(63.1,45.3) v1(63.6,165.5) v1(63.6,137.5) v1(63.6,109.3) v1(63.6,81.3) v1(63.6,53.1) v1(63.6,25.1) v1(64.9,124.7) v1(64.9,68.5) v1(64.9,12.3) v1(65,145.7) v1(65,144) v1(65,139.3) v1(65,89.5) v1(65,87.8) v1(65,83.1) v1(65,33.3) v1(65,31.6) v1(65,26.9) v1(65.3,157) v1(65.3,100.8) v1(65.3,44.6) v1(65.4,131.9) v1(65.4,75.7) v1(65.4,19.5) v1(65.6,152.4) v1(65.6,148.5) v1(65.6,96.2) v1(65.6,92.3) v1(65.6,40) v1(65.6,36.1) v1(65.9,123.6) v1(65.9,67.4) v1(65.9,11.2) v1(66.5,133.3) v1(66.5,77.1) v1(66.5,20.9) v1(67,163.9) v1(67,107.7) v1(67,51.5) v1(67.5,134.2) v1(67.5,78) v1(67.5,21.8) v1(67.7,155) v1(67.7,98.8) v1(67.7,42.6) v1(68.6,125.9) v1(68.6,69.7) v1(68.6,13.5) v1(70.6,135.6) v1(70.6,79.4) v1(70.6,23.2) v1(75.1,138.4) v1(75.1,82.2) v1(75.1,26) v1(77.5,139.4) v1(77.5,137.2) v1(77.5,83.2) v1(77.5,81) v1(77.5,27) v1(77.5,24.8) v1(81.7,141) v1(81.7,84.8) v1(81.7,28.6) v1(83.4,140) v1(83.4,83.8) v1(83.4,27.6) v1(83.9,123.6) v1(83.9,67.4) v1(83.9,11.2) v1(86.3,119.2) v1(86.3,63) v1(86.3,6.8) v1(86.5,122) v1(86.5,65.8) v1(86.5,9.6) v1(86.7,142.9) v1(86.7,86.7) v1(86.7,30.5) v1(87.3,137.9) v1(87.3,81.7) v1(87.3,25.5) v1(87.6,152.9) v1(87.6,96.7) v1(87.6,40.5) v1(87.8,154.1) v1(87.8,97.9) v1(87.8,41.7) v1(87.9,141.9) v1(87.9,85.7) v1(87.9,29.5) v1(88,119.2) v1(88,63) v1(88,6.8) v1(88.1,124.9) v1(88.1,68.7) v1(88.1,12.5) v1(88.4,135) v1(88.4,78.8) v1(88.4,22.6) v1(89,165.4) v1(89,140.7) v1(89,109.2) v1(89,84.5) v1(89,53) v1(89,28.3) v1(89.2,157.8) v1(89.2,101.6) v1(89.2,45.4) v1(90,138.4) v1(90,82.2) v1(90,26) v1(90.3,135.1) v1(90.3,78.9) v1(90.3,22.7) v1(90.4,151.3) v1(90.4,95.1) v1(90.4,38.9) v1(90.6,148.7) v1(90.6,92.5) v1(90.6,36.3) v1(90.7,139.1) v1(90.7,82.9) v1(90.7,26.7) v1(92,156.3) v1(92,100.1) v1(92,43.9) v1(93.1,142.5) v1(93.1,140.9) v1(93.1,86.3) v1(93.1,84.7) v1(93.1,30.1) v1(93.1,28.5) v1(93.8,150.1) v1(93.8,93.9) v1(93.8,37.7) v1(94.7,142.5) v1(94.7,140.9) v1(94.7,86.3) v1(94.7,84.7) v1(94.7,30.1) v1(94.7,28.5) v1(94.8,132.9) v1(94.8,76.7) v1(94.8,20.5) v1(95,134.7) v1(95,78.5) v1(95,22.3) v1(96.9,128.8) v1(96.9,72.6) v1(96.9,16.4) v1(97.2,143.2) v1(97.2,87) v1(97.2,30.8) v1(97.4,144.2) v1(97.4,88) v1(97.4,31.8) v1(98.6,137.5) v1(98.6,81.3) v1(98.6,25.1) v1(99.5,151.7) v1(99.5,95.5) v1(99.5,39.3) v1(100.4,142.6) v1(100.4,86.4) v1(100.4,30.2) v1(100.5,132) v1(100.5,128.9) v1(100.5,75.8) v1(100.5,72.7) v1(100.5,19.6) v1(100.5,16.5) v1(101.3,157.7) v1(101.3,101.5) v1(101.3,45.3) v1(101.8,165.5) v1(101.8,137.5) v1(101.8,109.3) v1(101.8,81.3) v1(101.8,53.1) v1(101.8,25.1) v1(103.1,124.7) v1(103.1,68.5) v1(103.1,12.3) v1(103.2,145.7) v1(103.2,144) v1(103.2,139.3) v1(103.2,89.5) v1(103.2,87.8) v1(103.2,83.1) v1(103.2,33.3) v1(103.2,31.6) v1(103.2,26.9) v1(103.5,157) v1(103.5,100.8) v1(103.5,44.6) v1(103.6,131.9) v1(103.6,75.7) v1(103.6,19.5) v1(103.8,152.4) v1(103.8,148.5) v1(103.8,96.2) v1(103.8,92.3) v1(103.8,40) v1(103.8,36.1) v1(104.1,123.6) v1(104.1,67.4) v1(104.1,11.2) v1(104.7,133.3) v1(104.7,77.1) v1(104.7,20.9) v1(105.2,163.9) v1(105.2,107.7) v1(105.2,51.5) v1(105.7,134.2) v1(105.7,78) v1(105.7,21.8) v1(105.9,155) v1(105.9,98.8) v1(105.9,42.6) v1(106.8,125.9) v1(106.8,69.7) v1(106.8,13.5) v1(108.8,135.6) v1(108.8,79.4) v1(108.8,23.2) v1(113.3,138.4) v1(113.3,82.2) v1(113.3,26) v1(115.7,139.4) v1(115.7,137.2) v1(115.7,83.2) v1(115.7,81) v1(115.7,27) v1(115.7,24.8) v1(119.9,141) v1(119.9,84.8) v1(119.9,28.6) v1(121.6,140) v1(121.6,83.8) v1(121.6,27.6) v1(122.1,123.6) v1(122.1,67.4) v1(122.1,11.2) v1(124.5,119.2) v1(124.5,63) v1(124.5,6.8) v1(124.7,122) v1(124.7,65.8) v1(124.7,9.6) v1(124.9,142.9) v1(124.9,86.7) v1(124.9,30.5) v1(125.5,137.9) v1(125.5,81.7) v1(125.5,25.5) v1(125.8,152.9) v1(125.8,96.7) v1(125.8,40.5) v1(126,154.1) v1(126,97.9) v1(126,41.7) v1(126.1,141.9) v1(126.1,85.7) v1(126.1,29.5) v1(126.2,119.2) v1(126.2,63) v1(126.2,6.8) v1(126.3,124.9) v1(126.3,68.7) v1(126.3,12.5) v1(126.6,135) v1(126.6,78.8) v1(126.6,22.6) v1(127.2,165.4) v1(127.2,140.7) v1(127.2,109.2) v1(127.2,84.5) v1(127.2,53) v1(127.2,28.3) v1(127.4,157.8) v1(127.4,101.6) v1(127.4,45.4) v1(128.2,138.4) v1(128.2,82.2) v1(128.2,26) v1(128.5,135.1) v1(128.5,78.9) v1(128.5,22.7) v1(128.6,151.3) v1(128.6,95.1) v1(128.6,38.9) v1(128.8,148.7) v1(128.8,92.5) v1(128.8,36.3) v1(128.9,139.1) v1(128.9,82.9) v1(128.9,26.7) v1(130.2,156.3) v1(130.2,100.1) v1(130.2,43.9) v1(131.3,142.5) v1(131.3,140.9) v1(131.3,86.3) v1(131.3,84.7) v1(131.3,30.1) v1(131.3,28.5) v1(132,150.1) v1(132,93.9) v1(132,37.7) v1(132.9,142.5) v1(132.9,140.9) v1(132.9,86.3) v1(132.9,84.7) v1(132.9,30.1) v1(132.9,28.5) v1(133,132.9) v1(133,76.7) v1(133,20.5) v1(133.2,134.7) v1(133.2,78.5) v1(133.2,22.3) v1(135.1,128.8) v1(135.1,72.6) v1(135.1,16.4) v1(135.4,143.2) v1(135.4,87) v1(135.4,30.8) v1(135.6,144.2) v1(135.6,88) v1(135.6,31.8) v1(136.8,137.5) v1(136.8,81.3) v1(136.8,25.1) v1(137.7,151.7) v1(137.7,95.5) v1(137.7,39.3) v1(138.6,142.6) v1(138.6,86.4) v1(138.6,30.2) v1(138.7,132) v1(138.7,128.9) v1(138.7,75.8) v1(138.7,72.7) v1(138.7,19.6) v1(138.7,16.5) v1(139.5,157.7) v1(139.5,101.5) v1(139.5,45.3) v1(140,165.5) v1(140,137.5) v1(140,109.3) v1(140,81.3) v1(140,53.1) v1(140,25.1) v1(141.3,124.7) v1(141.3,68.5) v1(141.3,12.3) v1(141.4,145.7) v1(141.4,144) v1(141.4,139.3) v1(141.4,89.5) v1(141.4,87.8) v1(141.4,83.1) v1(141.4,33.3) v1(141.4,31.6) v1(141.4,26.9) v1(141.7,157) v1(141.7,100.8) v1(141.7,44.6) v1(141.8,131.9) v1(141.8,75.7) v1(141.8,19.5) v1(142,152.4) v1(142,148.5) v1(142,96.2) v1(142,92.3) v1(142,40) v1(142,36.1) v1(142.3,123.6) v1(142.3,67.4) v1(142.3,11.2) v1(142.9,133.3) v1(142.9,77.1) v1(142.9,20.9) v1(143.4,163.9) v1(143.4,107.7) v1(143.4,51.5) v1(143.9,134.2) v1(143.9,78) v1(143.9,21.8) v1(144.1,155) v1(144.1,98.8) v1(144.1,42.6) v1(145,125.9) v1(145,69.7) v1(145,13.5) v1(147,135.6) v1(147,79.4) v1(147,23.2) v1(151.5,138.4) v1(151.5,82.2) v1(151.5,26) v1(153.9,139.4) v1(153.9,137.2) v1(153.9,83.2) v1(153.9,81) v1(153.9,27) v1(153.9,24.8) v1(158.1,141) v1(158.1,84.8) v1(158.1,28.6) v1(159.8,140) v1(159.8,83.8) v1(159.8,27.6) v1(160.3,123.6) v1(160.3,67.4) v1(160.3,11.2) v1(162.7,119.2) v1(162.7,63) v1(162.7,6.8) v1(162.9,122) v1(162.9,65.8) v1(162.9,9.6) v1(163.1,142.9) v1(163.1,86.7) v1(163.1,30.5) v1(163.7,137.9) v1(163.7,81.7) v1(163.7,25.5) v1(164,152.9) v1(164,96.7) v1(164,40.5) v1(164.2,154.1) v1(164.2,97.9) v1(164.2,41.7) v1(164.3,141.9) v1(164.3,85.7) v1(164.3,29.5) v1(164.4,119.2) v1(164.4,63) v1(164.4,6.8) v1(164.5,124.9) v1(164.5,68.7) v1(164.5,12.5) v1(164.8,135) v1(164.8,78.8) v1(164.8,22.6) v1(165.4,165.4) v1(165.4,140.7) v1(165.4,109.2) v1(165.4,84.5) v1(165.4,53) v1(165.4,28.3) v1(165.6,157.8) v1(165.6,101.6) v1(165.6,45.4) v1(166.4,138.4) v1(166.4,82.2) v1(166.4,26) v1(166.7,135.1) v1(166.7,78.9) v1(166.7,22.7) v1(166.8,151.3) v1(166.8,95.1) v1(166.8,38.9) v1(167,148.7) v1(167,92.5) v1(167,36.3) v1(167.1,139.1) v1(167.1,82.9) v1(167.1,26.7) v1(168.4,156.3) v1(168.4,100.1) v1(168.4,43.9) v1(169.5,142.5) v1(169.5,140.9) v1(169.5,86.3) v1(169.5,84.7) v1(169.5,30.1) v1(169.5,28.5) v1(170.2,150.1) v1(170.2,93.9) v1(170.2,37.7) v1(171.1,142.5) v1(171.1,140.9) v1(171.1,86.3) v1(171.1,84.7) v1(171.1,30.1) v1(171.1,28.5) v1(171.2,132.9) v1(171.2,76.7) v1(171.2,20.5) v1(171.4,134.7) v1(171.4,78.5) v1(171.4,22.3) v1(173.3,128.8) v1(173.3,72.6) v1(173.3,16.4) v1(173.6,143.2) v1(173.6,87) v1(173.6,30.8) v1(173.8,144.2) v1(173.8,88) v1(173.8,31.8) v1(175,137.5) v1(175,81.3) v1(175,25.1) v1(175.9,151.7) v1(175.9,95.5) v1(175.9,39.3) v1(176.8,142.6) v1(176.8,86.4) v1(176.8,30.2) v1(176.9,132) v1(176.9,128.9) v1(176.9,75.8) v1(176.9,72.7) v1(176.9,19.6) v1(176.9,16.5) v1(177.7,157.7) v1(177.7,101.5) v1(177.7,45.3) v1(178.2,165.5) v1(178.2,137.5) v1(178.2,109.3) v1(178.2,81.3) v1(178.2,53.1) v1(178.2,25.1) v1(179.5,124.7) v1(179.5,68.5) v1(179.5,12.3) v1(179.6,145.7) v1(179.6,144) v1(179.6,139.3) v1(179.6,89.5) v1(179.6,87.8) v1(179.6,83.1) v1(179.6,33.3) v1(179.6,31.6) v1(179.6,26.9) v1(179.9,157) v1(179.9,100.8) v1(179.9,44.6) v1(180,131.9) v1(180,75.7) v1(180,19.5) v1(180.2,152.4) v1(180.2,148.5) v1(180.2,96.2) v1(180.2,92.3) v1(180.2,40) v1(180.2,36.1) v1(180.5,123.6) v1(180.5,67.4) v1(180.5,11.2) v1(181.1,133.3) v1(181.1,77.1) v1(181.1,20.9) v1(181.6,163.9) v1(181.6,107.7) v1(181.6,51.5) v1(182.1,134.2) v1(182.1,78) v1(182.1,21.8) v1(182.3,155) v1(182.3,98.8) v1(182.3,42.6) v1(183.2,125.9) v1(183.2,69.7) v1(183.2,13.5) v1(185.2,135.6) v1(185.2,79.4) v1(185.2,23.2) v1(189.7,138.4) v1(189.7,82.2) v1(189.7,26)
